# Altium PCB LimePSB-RPCM_1v4.PcbDoc (part 10 of 12) (continued)
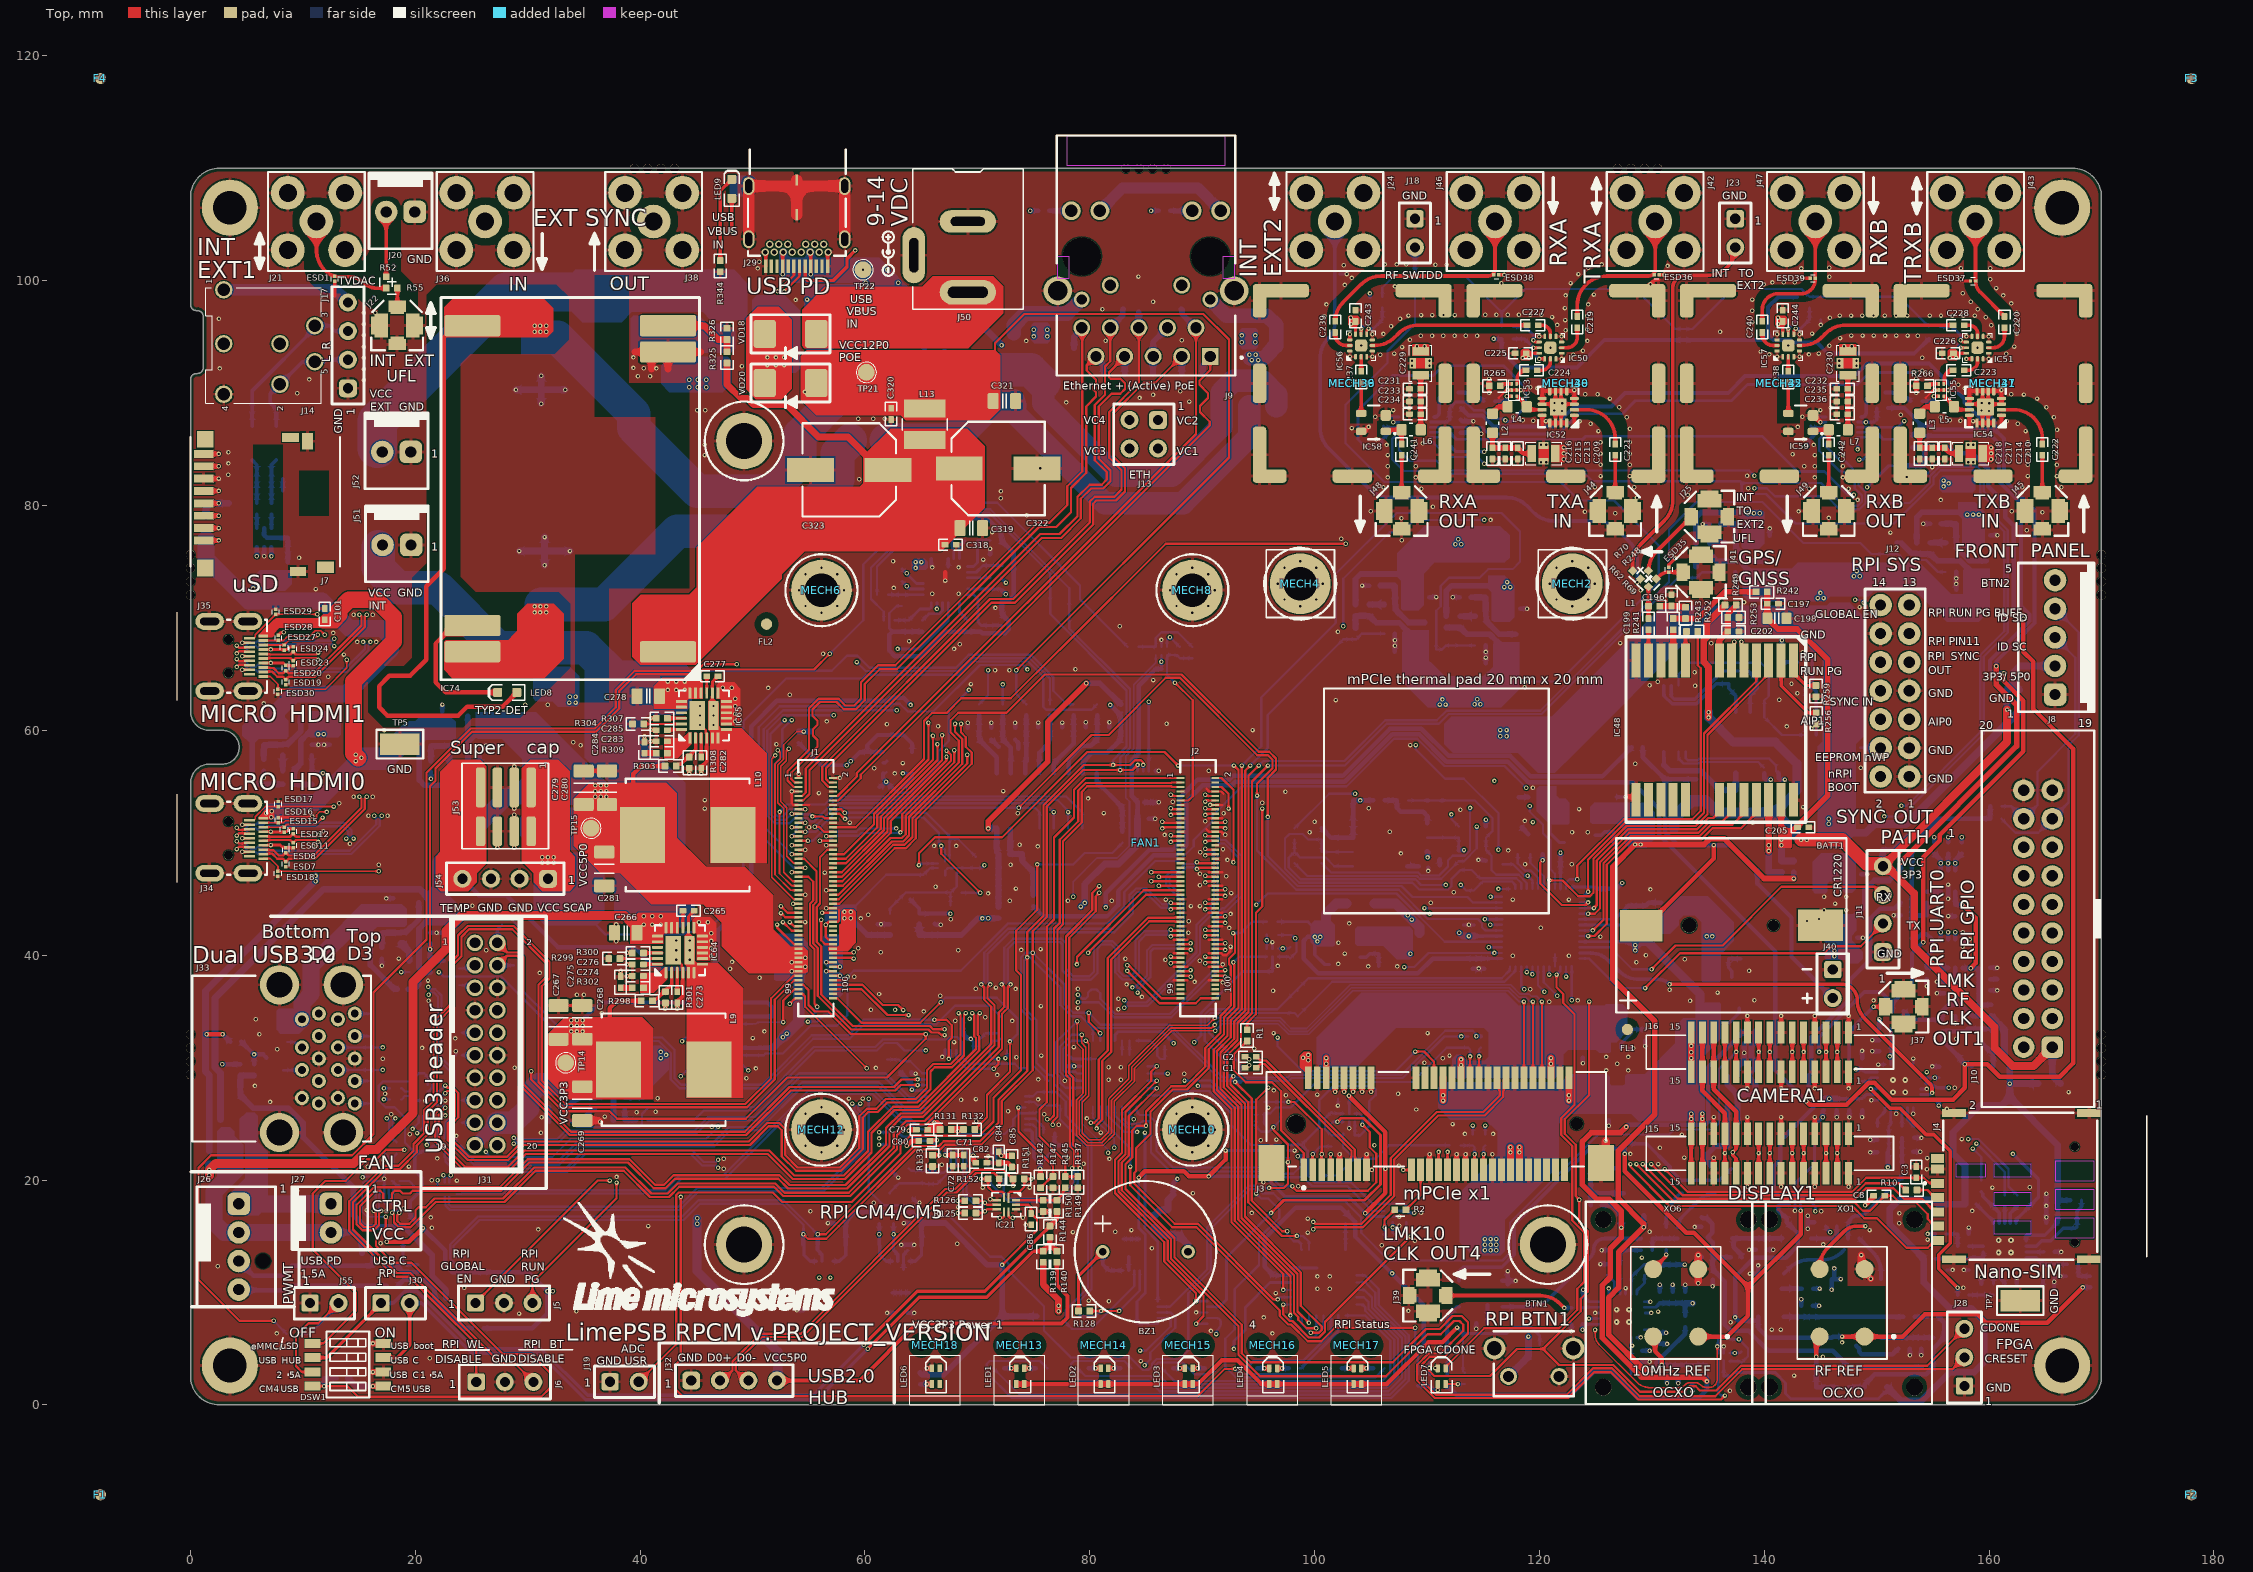
[diagram p0: Top view]
## Nets (pads, with @x,y where several pads share a name; then routed paths per layer and width w, separated by ;. In a path a pad name is that pad's centre, name@x,y a point inside that pad or via, vN(x,y) a via of type N, cw(c..) or ccw(c..) an arc to the next point about the centre after c; other vN are vias at no path point) (continued)
  Bottom w0.5: 148.062,43.488 148.95,44.375 148.95,45.8 149.8,46.65 151.115,46.65 R208.1@152.14,47.675 152.15,47.685 v1(152.15,48.275) ; 152.1,0.425 154.05,0.425
  Bottom w0.6: FR4.1@150.95,1.575 152.1,0.425 ; 154.05,0.425 156.525,2.9 158.675,2.9 159.575,3.8 159.575,7.425 158.4,8.6 156.475,8.6 154.2,10.875 FR7.1@154.2,13 151.175,16.025 151.175,17.425 151.975,18.225 155.1,18.225 155.485,17.84 R200.2@157.864,17.84 157.864,21.311 156.8,22.375 156.8,24.25 159.175,26.625 161.1,26.625 161.85,27.375 ; FR8.2@160.199,34.574 161.375,33.398 161.375,30.838 161.85,30.363 v1(161.85,28.581) ; FR17.2@164.35,28.581 C289.2@163.006,28.581 v1(161.85,28.581) ; C138.2@166.1,18.2 166.1,23.125 161.85,27.375 ; 161.85,27.375 v1(161.85,28.581)
  other v1: 146.25,39.913 146.25,40.4
VCC3P3_CLK2: C297.2 C298.2 FR9.1 FR10.1 FR11.1 FR12.1 FR19.2 IC71.1 R320.2 TP20.1 | length 82.4
  Top w0.5: v1(130.069,3.12) 129.279,3.12 126.175,6.224 126.175,9.55 127.05,10.425 127.05,13.575 v1(129.274,15.8) 129.274,16.101 127.025,18.35 127.025,22.6 130.275,25.85 130.275,34.125 126.525,37.875 126.525,47.862 v1(128.513,49.85) v1(129,49.85) 134.65,49.85 135.15,50.35 136.45,50.35 139.975,46.825 v1(142.625,46.825)
  Bottom w0.2: R320.2@126.6,51.975 C297.2@126.6,53.075 C298.2@128.025,53.075 128.025,52.192 128.45,51.767 TP20.1@128.45,51.425
  Bottom w0.4: FR10.1@129.19,2.8 129.75,2.8 130.389,3.439 130.389,3.758 131.555,4.924 131.557,4.924 132.96,6.327 132.96,6.91 FR11.1@132.975,6.925
  Bottom w0.5: v1(129.274,15.8) FR9.1@129.274,16.799 ; v1(142.625,46.825) FR12.1@142.625,47.375
VCC3P3_GNSS: C197.2 C198.2 C205.2 C206.1 FR12.2 IC48.23 R242.1 R260.2 | length 31.9
  Top w0.5: C198.2@140.275,69.975 R242.1@140.275,72.325 ; C198.2@140.525,69.725 141.225,69.025 142.925,69.025 145.65,66.3 145.65,54.2 142.525,51.075 141.975,51.075 141.5,51.55 IC48.23@141.5,53.825
  Bottom w0.6: v1(141.525,50.288) v1(141.525,49.775) C206.1@141.525,49.425 R260.2@141.525,48.375 FR12.2@142.625,48.375
VCC3P3_LMK10: C174.2 C175.2 C176.2 C177.2 FR10.2 IC39.8 IC39.23 R219.2 | length 23.4
  L3 w0.5: v1(128.239,5.274) 128.339,5.374 130.028,5.374 130.528,4.874 131.599,4.874 134.75,8.025 134.75,10.978 133.253,12.475 v1(132.925,12.475)
  Bottom w0.25: FR10.2@128.164,2.774 128.164,5.274 IC39.8@128.164,5.999 ; IC39.23@128.164,9.849 128.164,11.349 R219.2@128.339,11.524 129.29,12.475 C177.2@130.75,12.475
  Bottom w0.4: C177.2@130.75,12.475 C175.2@131.875,12.475 v1(132.925,12.475)
VCC3P3_LMK10_VDDO: C183.2 C184.2 C185.2 C186.2 C187.2 C188.2 FR11.2 IC39.2 IC39.6 IC39.14 IC39.18 | length 31.4
  L3 w0.6: v1(123.839,6.674) 124.714,5.8 127.35,5.8 129.05,7.5 ; v1(123.889,10.249) 124.613,9.525 128.125,9.525 129.05,8.6 129.05,7.5 ; v1(133.627,9.049) 133.627,8.787 v1(131.264,6.424) 130.126,6.424 129.05,7.5
  Bottom w0.25: C186.2@123.839,7.174 IC39.14@125.489,7.174 ; C185.2@123.889,9.674 124.389,9.174 IC39.18@125.489,9.174 ; IC39.6@129.339,6.674 130.443,6.674 130.518,6.599 C188.2@130.589,6.599 ; IC39.2@129.339,8.674 130.339,8.674 130.539,8.874 130.589,8.874 130.714,8.999 C187.2@130.714,9.049
  Bottom w0.4: v1(123.839,6.674) C186.2@123.839,7.174 ; C185.2@123.889,9.674 v1(123.889,10.249) ; C187.2@130.714,9.049 C184.2@131.839,9.049 C183.2@132.964,9.049 FR11.2@132.964,7.924 ; C188.2@130.789,6.424 v1(131.264,6.424)
  Bottom w0.6: C183.2@132.964,9.049 v1(133.627,9.049)
VCC3P3_LMKRF: C120.2 C121.2 C122.2 C123.2 FR5.2 IC31.8 IC31.23 R177.2 | length 19
  L3 w0.5: v1(151,21.125) 151,23.025 150.475,23.55 150.475,29.625 151.175,30.325 v1(151.175,31)
  Bottom w0.25: C121.2@151.075,22.45 C122.2@151.075,23.575 R177.2@151.075,24.75 151.25,24.925 IC31.23@151.25,26.425 ; IC31.8@151.25,30.275 151.25,31 C123.2@151.25,31.45 C120.2@151.25,32.45 FR5.2@151.25,33.5
  Bottom w0.4: v1(151,21.125) C121.2@151,22.45
VCC3P3_LMKRF_VDDO: C127.2 C128.2 C129.2 C130.2 C131.2 C132.2 FR6.2 IC31.2 IC31.6 IC31.14 IC31.18 | length 25.6
  L3 w0.5: v1(145.787,27.225) 145.787,27.487 v1(148.15,29.85) 149.124,30.824 149.874,30.824 150.65,31.6 151.425,31.6 154.25,28.775 154.849,28.775 ; v1(155.175,29.101) 154.849,28.775 ; v1(155.525,26.626) 155.525,28.099 154.849,28.775
  Bottom w0.25: C127.2@146.45,27.225 C128.2@147.575,27.225 C130.2@148.7,27.225 148.7,27.275 148.825,27.4 148.875,27.4 149.075,27.6 IC31.2@150.075,27.6 ; C132.2@148.825,29.675 148.896,29.675 148.971,29.6 IC31.6@150.075,29.6 ; IC31.18@153.925,27.1 C131.2@155.6,27.1 ; IC31.14@153.925,29.1 C129.2@155.575,29.1
  Bottom w0.4: v1(148.15,29.85) C132.2@148.625,29.85 ; v1(155.525,26.626) C131.2@155.525,27.1
  Bottom w0.6: FR6.2@145.275,27.225 145.862,27.225 C127.2@146.45,27.225
VCC3P3_RPI: C7.2 J1.84 J1.86 R7.1 | length 1.2
  Top w0.2: v1(56.555,39.375) J1.84@57.165,39.375 ; J1.86@57.165,38.975 v1(57.775,38.975)
VCC3P3_SD: C17.1 FR1.2 IC4.6 R21.1 R24.2 | length 45.7
  Bottom w0.5: 5.012,59.675 IC4.6@8.2,59.675 ; 5.485,59.373 5.485,55.673 5.945,55.213 R21.1@8.2,55.213
  Bottom w1.5: FR1.2@1.375,77.05 1.375,75.275 5.15,71.5 11.7,71.5 14.125,69.075 17.05,69.075 17.8,68.325 17.8,67.175 13.85,63.225 9.225,63.225 7.675,61.675 7.675,60.45
VCC3P3A: C29.2 C34.2 C35.2 FR3.2 IC6.16 R47.2 R48.1 | length 28.2
  Top w0.5: v1(70.963,51.277) 70.963,51.913 76.25,57.2 76.25,60.75 v1(79.686,64.186)
  Bottom w0.5: v1(70.963,51.277) IC6.16@71.713,51.277 71.713,49.173 R47.2@71.876,49.01 C29.2@71.876,45.46 FR3.2@71.876,44.285 ; v1(79.686,64.186) 80.9,64.186 R48.1@82.751,62.335
VCC5P0: C4.2 C5.2 C15.1 C52.1 C89.1 C92.2 C94.1 C97.2 C98.1 C102.2 C279.2 C280.2 C281.2 FR13.1 FR14.1 FR16.1 FR18.1 IC3.1 IC3.5 IC17.1 IC17.5 IC24.1 IC25.1 IC28.1 J1.77 J1.79 J1.81 J1.83 J1.85 J1.87 J10.2 J10.4 J32.4 L10.2 R18.1 R86.1 R100.2 R101.2 R140.2 R155.2 R156.2 R163.2 R164.2 R170.2 R171.2 R173.1 R303.2 TP15.1 VD9.A | length 258.7
  Top w0.2: 38.05,49.175 38.05,52.95 ; v1(53.475,38.575) J1.87@54.085,38.575 ; v1(53.475,39.375) J1.83@54.085,39.375 ; J1.85@54.085,38.975 v1(54.695,38.975) ; J1.81@54.085,39.775 v1(54.695,39.775)
  Top w0.35: J32.4@52.173,1.938 52.398,2.163 59.538,2.163 64.6,7.225 77.5,7.225 78.025,7.75 78.025,9.7 77.075,10.65 R140.2@77.075,12.675
  Top w0.4: 39.4,54.95 39.4,56.15 40.073,56.823 42.209,56.823 R303.2@42.223,56.823 ; 54.085,38.675 J1.83@54.085,39.375 J1.81@54.085,39.775 54.085,40.45
  Top w0.7: C279.2@35.175,53.4 35.188,53.388 37.287,53.388 37.3,53.375 37.625,53.375 38.05,52.95 38.15,52.85 38.55,52.85 40.2,51.2 L10.2@40.2,50.7
  L3 w0.8: v1(45.075,16.1) v1(45.075,16.6) 45.075,26.625 49.775,31.325 51.35,31.325 v1(53.05,33.025) ; v1(145.75,52.15) v1(145.75,51.7) 145.75,47.8 148,45.55 148,41.35 148.075,41.275 148.075,41.26 148.485,40.85 148.5,40.85 149.2,40.15 149.2,39.45 151.625,37.025 152.625,37.025 154.275,35.375 158.2,35.375 159.125,34.45 162.99,34.45 J10.4@163.08,34.36 J10.2@163.08,31.82
  L4 w1.7: 42,31.1 45.55,31.1 53.825,39.375 54.2,39.375
  Bottom w0.3: C52.1@144.285,67.55 IC17.5@144.285,66.08 IC17.1@144.285,64.15 144.285,63.83 144.625,63.49 R101.2@144.625,62.8 R100.2@144.625,59.6
  Bottom w0.35: IC3.5@48.06,31.76 C15.1@51.8,31.76
  Bottom w0.5: R163.2@19.363,36.975 19.888,36.975 20.313,37.4 20.313,38.075 20.738,38.5 ; R164.2@21.313,38.5 20.738,38.5 ; IC25.1@21.313,42.95 C97.2@21.313,44.648 ; 22.898,42.948 20.913,42.948 20.913,42.939 20.323,42.349 20.323,38.915 20.738,38.5 ; R171.2@25.675,55.338 25.45,55.113 R170.2@24.075,55.113 R173.1@24.075,56.338 24.685,56.948 24.685,58.974 25.275,59.564 25.275,59.573 C98.1@27.26,59.573 ; IC28.1@25.675,59.575 C102.2@25.675,61.273 ; R156.2@37.625,25.329 37.625,27.676 38.225,28.276 38.225,28.285 C89.1@40.21,28.285 ; IC24.1@38.625,28.287 C92.2@38.625,29.985
  Bottom w0.6: R86.1@2.675,25.375 2.675,29.525 2.175,30.025 2.175,36.2 11.85,45.875 20.375,45.875 C97.2@21.375,44.875 ; C15.1@51.8,31.76 v1@52.8,32.76
  Bottom w0.7: 147.6,50.9 149.025,50.9 149.8,51.675 152.625,51.675 162.7,61.75 R18.1@162.7,62.6
  Bottom w0.8: v1(45.075,16.6) v1(45.075,16.1) 45.075,11.9 52.243,4.732 J32.4@52.243,2.232
  Bottom w1: v1@52.8,32.76 54.1,34.06 54.1,38.525
  Bottom w1.5: 22.25,44.4 22.25,48.225 28.175,54.15 30.025,54.15 31.575,55.7
  other v1: 41.825,30.85 42.3,31.125 41.825,31.4 52.7,32.7 36,54.1 36.5,54.1 37,54.1 36,54.6 36.5,54.6 37,54.6 36,55.1 36.5,55.1 37,55.1 116.525,59.475 117.075,59.475 116.525,60.025 117.075,60.025
VCC5P0_HDMI: C99.1 C100.1 C101.1 IC28.6 J34.19 J35.19 R170.1 R172.2 | length 52.2
  Top w0.9: 6.95,68.775 7.725,69.55 12.175,69.55
  Top w1.5: 12.775,69.875 13.2,70.3 13.2,70.725 14.1,71.625 16.55,71.625 18.075,70.1 18.075,67.925 14.5,64.35 14.5,57.95 14.9,57.55
  Bottom w0.5: 19.887,59.575 IC28.6@23.075,59.575 ; 20.36,59.273 20.36,55.573 20.82,55.113 R170.1@23.075,55.113
  Bottom w1.5: v1(7.225,52.8) 9.2,52.8 10,53.6 11.175,53.6 v1@15.05,57.475
  Bottom w2: v1@15.05,57.475 17.25,57.475 19.625,59.85 20.025,59.85
  other v1: 7.175,52.275 6.725,52.625 14.7,57.275 15.2,57.575 14.7,57.85
VCC5P0_RFA: C225.1 C243.2 C249.1 C250.1 C257.2 C258.2 C261.2 C263.1 FR13.2 IC50.9 IC56.9 IC60.1 IC61.1 R271.2 R272.2 R275.1 R276.1 R289.1 R290.1 | length 109.3
  Top w0.25: IC56.9@103.64,95.243 C243.2@103.64,96.385 ; C225.1@118.833,93.55 IC50.9@119.975,93.55
  L4 w1.5: 103,96.425 102.475,96.425 100.8,94.75 100.8,80.9 105.7,76 105.7,67.137 110.087,62.75 v1(111.375,62.75) ; v1(114.475,62.775) 118,66.3 123.875,66.3 126.925,69.35 126.925,76.45 129.975,79.5 129.975,87.875 126.075,91.775 119.45,91.775 118.65,92.575 118.65,92.975
  Bottom w0.5: R276.1@103.65,69.1 cw(c103.679,69.129) 103.638,69.129 R272.2@103.638,70.2 R290.1@104.863,70.2 105.473,69.59 107.499,69.59 108.089,69 108.098,69 C250.1@108.098,67.015 ; IC61.1@108.1,68.6 C258.2@109.798,68.6 ; R271.2@111.715,69.16 R289.1@112.94,69.16 113.55,68.55 115.576,68.55 116.166,67.96 116.175,67.96 C249.1@116.175,65.975 ; IC60.1@116.177,67.56 C257.2@117.875,67.56
  other v1: 111.125,62.3 111.65,62.3 114.225,62.325 114.75,62.325 118.518,93.135 119.068,93.135 103.225,96.15 103.225,96.7
VCC5P0_RFB: C226.1 C244.2 C251.1 C252.1 C259.2 C260.2 C262.2 C264.1 FR14.2 IC51.9 IC57.9 IC62.1 IC63.1 R273.2 R274.2 R277.1 R278.1 R291.1 R292.1 | length 98.4
  Top w0.25: IC57.9@141.64,95.243 C244.2@141.64,96.385 ; C226.1@156.833,93.55 IC51.9@157.975,93.55
  L4 w1.5: 140.875,96.55 136.425,92.1 136.425,76.348 140.798,71.975 145.025,71.975 ; 148.25,73.9 148.375,74.025 150.2,75.85 163.3,75.85 167.975,80.525 167.975,87.875 164.1,91.75 157.7,91.75 156.7,92.75
  Bottom w0.5: R278.1@133.925,74.575 R274.2@133.925,75.673 R292.1@135.15,75.673 135.76,75.062 137.786,75.062 138.376,74.472 138.385,74.472 C252.1@138.385,72.488 ; IC63.1@138.387,74.072 C260.2@140.085,74.072 ; R277.1@151.85,76.7 151.9,76.65 152.225,76.65 153.125,75.75 153.513,75.75 R273.2@153.563,75.7 R291.1@154.788,75.7 155.398,75.09 157.424,75.09 158.014,74.5 158.023,74.5 C251.1@158.023,72.515 ; IC62.1@158.025,74.1 C259.2@159.723,74.1
  other v1: 144.75,71.775 145.275,71.775 145,72.225 147.975,73.725 148.5,73.725 148.225,74.175 156.518,93.135 157.068,93.135 141.225,96.15 141.225,96.7
VCC5P0_RXA_LNA: C229.1 C254.1 IC61.6 R272.1 R279.1 R281.2 | length 26.6
  L4 w2: 111.775,93.175 112.775,92.175 112.775,76.75
  Bottom w0.5: R272.1@103.638,71.2 103.638,73.455 104.098,73.915 107.798,73.915 ; IC61.6@108.1,71.2 108.1,74.388
  other v1: 112.525,76.55 113.05,76.55 112.775,77 109.1,94.175 109.78,94.175
VCC5P0_RXB_LNA: C230.1 C256.1 IC63.6 R274.1 R280.1 R283.2 | length 42.5
  L4 w2: v1(139.085,79.325) 139.085,77.526 140.586,76.025 145.825,76.025 150.775,80.975 ; 149.775,93.175 150.775,92.175 150.775,80.975 ; 155.825,81.975 154.825,81.975 153.825,80.975 150.775,80.975
  Bottom w0.5: R274.1@133.925,76.672 133.925,78.928 134.385,79.387 138.085,79.387 ; IC63.6@138.387,76.672 R283.2@138.387,78.36
  other v1: 138.56,79.325 139.61,79.325 155.95,81.7 156.4,81.975 155.95,82.225 147.1,94.175 147.78,94.175
VCC5P0_TXA_PA: C209.1 C253.1 IC60.6 R271.1 R279.2 R284.2 | length 24.1
  L4 w2: 117.15,72.925 117.15,76.475 122.175,81.5 v1(122.175,84.112) v1(122.175,84.637) v1(122.175,85.162)
  Bottom w0.5: R271.1@111.715,70.16 111.715,72.415 112.175,72.875 115.875,72.875 ; IC60.6@116.177,70.16 R279.2@116.177,73.348
  other v1: 116.875,72.75 117.4,72.75 117.125,73.2
VCC5P0_TXB_PA: C210.1 C255.1 IC62.6 R273.1 R280.2 R282.2 | length 16.2
  L4 w2: 158.575,79.425 158.575,80.3 160.175,81.9 v1(160.175,84.112) v1(160.175,84.637) v1(160.175,85.162)
  Bottom w0.5: R273.1@153.563,76.7 153.563,78.955 154.023,79.415 157.723,79.415 ; IC62.6@158.025,76.7 R282.2@158.025,78.388 R280.2@158.025,79.888
  other v1: 158.05,79.2 158.575,79.2 159.1,79.2
VCC5P0_USB3H: C88.2 C90.1 C91.2 IC24.6 J31.18 J31.19 R155.1 R158.2 | length 10.6
  Bottom w1: J31.19@25.3,23.1 J31.18@27.3,25.1
  Bottom w2: J31.18@27.3,25.1 28.75,25.1 30.025,26.375 C88.2@30.025,27.575 30.975,28.525 32.975,28.525
VCC5P0_USBS: C93.2 C95.1 C96.2 IC25.6 J33.1 J33.10 R163.1 R166.2 | length 27.3
  L3 w0.7: J33.1@9.91,34.3 9.91,35.11 10.825,36.025 11.824,36.025 13.005,34.844 13.005,34.405 J33.10@13.11,34.3
  Bottom w0.5: C96.2@15.525,42.95 IC25.6@18.713,42.95 ; 15.998,42.648 15.998,39.115 18.138,36.975 R163.1@18.363,36.975
  Bottom w1.5: J33.1@9.91,34.3 9.91,35.693 10.51,36.293 10.51,36.325 10.725,36.54 10.725,39.025 15.208,43.508 15.558,43.508 C96.2@15.708,43.658
VCC12P0_POE: C320.1 C321.2 L13.2 R58.1 TP21.1 VD20.A | length 64.6
  Top w0.2: 71.575,93.325 71.575,94.45 74.175,97.05 90.1,97.05 92.375,94.775 92.375,84.275 v1(73.45,65.35)
  Bottom w0.2: v1(73.45,65.35) 73.45,63.236 R58.1@74.351,62.335
  other v1: 54.663,90.113
VCC12P0_POE_DIV: C39.1 IC6.3 R58.2 R65.2 | length 5.2
  Bottom w0.4: IC6.3@74.253,56.177 74.253,57.158 74.351,57.256 C39.1@74.351,59.185 R65.2@74.351,60.235 R58.2@74.351,61.335
VCC_BARREL: J50.1 R56.1 VD18.A | length 37.7
  L4 w0.2: J50.1@69.15,98.975 69.15,77.141 70.95,75.341 v1(70.95,65.35)
  Bottom w0.2: R56.1@70.151,62.335 70.95,63.134 v1(70.95,65.35)
VCC_BARREL_DIV: C37.1 IC6.1 R56.2 R63.2 | length 5.8
  Bottom w0.4: R56.2@70.151,61.335 R63.2@70.151,60.235 C37.1@70.151,59.185 70.201,59.185 70.251,59.135 70.251,59.085 71.713,57.623 IC6.1@71.713,56.177
VCC_EXT: C272.1 F9.1 J52.2 R59.1 R297.2 VD21.K | length 105.7
  L3 w0.2: J52.2@17.054,84.775 21.625,80.204 21.625,74 26.075,69.55 47,69.55 50.475,66.075 v1(59.275,66.075)
  Bottom w0.2: v1(59.275,66.075) 60.075,65.275 68.214,65.275 69.364,66.425 74.649,66.425 76.451,64.623 R59.1@76.451,62.335
  Bottom w3.5: J52.2@16.6,85.075 16.6,87.5 28.1,99 40.5,99
VCC_EXT_DIV: C40.1 IC6.4 R59.2 R66.2 | length 5.6
  Bottom w0.4: IC6.4@75.523,56.177 75.523,58.023 76.351,58.851 76.351,59.135 76.401,59.185 C40.1@76.451,59.185 R66.2@76.451,60.235 R59.2@76.451,61.335
VCC_FAN: C47.1 C49.1 J26.2 J27.2 R78.1 R84.2 R86.2 R89.2 | length 27.3
  Bottom w0.5: 2.675,23.825 R84.2@2.675,22.578 R89.2@2.675,21.325 3.125,21.325 C47.1@4.375,21.325 ; J27.2@12.491,15.338 14.437,15.338 15.2,14.575 15.2,14.525 C49.1@15.25,14.525 R78.1@15.25,13.475
  Bottom w1.5: 3.125,23.925 3.125,22.578 3.125,21.325 3.125,20.025 2.1,19 2.1,16.225 2.987,15.338 J26.2@4.287,15.338 J27.2@12.491,15.338
VCC_INT: C266.2 C270.2 C271.1 C278.2 F10.1 FR15.2 IC64.16 IC64.17 IC64.18 IC64.19 IC64.20 IC65.16 IC65.17 IC65.18 IC65.19 IC65.20 J51.2 L8.2 R60.1 R89.1 | length 128
  Top w0.2: C266.2@40.2,42.35 40.387,42.163 40.85,41.7 IC64.19@41.55,41.7 ; 42.325,63.225 42.513,63.038 42.975,62.575 IC65.19@43.675,62.575
  Top w0.25: C266.2@39.236,41.656 39.236,41.99 39.236,42.086 C266.2@39.6,42.45 ; C278.2@41.361,62.531 41.361,62.961 C278.2@41.725,63.325
  Top w0.8: v1(1.675,20.425) v1(1.675,20.9) 2.25,21.475 14.5,21.475 15.744,22.719 16.569,22.719 19.8,25.95 19.8,37.625 22.725,40.55 22.725,42.15 24.125,43.55 38.6,43.55 39.612,42.538 39.612,42.09 C266.2@39.712,41.99
  Bottom w0.2: 44.35,65.1 44.55,65.3 57.05,65.3 58.4,66.65 59.325,66.65 60.4,65.575 68.09,65.575 69.24,66.725 74.774,66.725 76.751,64.748 76.751,63.534 77.95,62.335 R60.1@78.551,62.335
  Bottom w0.8: v1(1.675,20.425) v1(1.675,20.9) R89.1@1.675,21.325
  Bottom w3: J51.2@16.7,76.325 16.7,74.425 18.425,72.7 22,72.7 27.35,67.35 35.175,67.35 37.875,64.65
  other v1: 40.329,42.724 41.079,42.724 41.829,42.724 40.329,43.474 41.079,43.474 41.829,43.474 42.454,63.599 43.205,63.599 43.955,63.599 42.455,64.349 43.205,64.349 43.955,64.349 44.375,90.525 45.125,90.525 45.875,90.525 44.375,91.2 45.125,91.2 45.875,91.2
VCC_INT_DIV: C41.1 IC6.5 R60.2 R67.2 | length 5.9
  Bottom w0.4: IC6.5@76.793,56.177 76.793,57.068 78.551,58.826 R60.2@78.551,61.335
VCC_SCAP: J53.1 J54.1 R61.1 R305.2 R306.2 VD22.A | length 69
  Bottom w0.2: 35.739,44.03 35.739,43.036 36.925,41.85 43.888,41.85 44.113,42.075 45.825,42.075 49.175,45.425 49.175,60.8 53,64.625 59.794,64.625 60.115,64.946 68.309,64.946 69.488,66.125 74.525,66.125 75.85,64.8 75.85,62.088 76.103,61.835 80.151,61.835 R61.1@80.651,62.335
  other v1: 31.3,48.225 31.8,48.225 32.3,48.225 31.3,48.725 31.8,48.725 32.3,48.725
VCC_SCAP_DIV: C42.1 IC6.6 R61.2 R68.2 | length 6.7
  Bottom w0.4: IC6.6@78.063,56.177 78.12,56.235 78.12,57.445 79.3,58.625 80.091,58.625 80.551,59.085 80.551,59.135 80.601,59.185 C42.1@80.651,59.185 R61.2@80.651,61.335
VCC_USB_PD: C329.2 IC75.5 IC75.6 IC76.11 R57.1 VD19.A | length 46.4
  L3 w0.25: v1(54.85,98.325) 60.15,93.025 60.15,85.35 61.825,83.675 61.825,72.6 63.621,70.804 v1(66.4,70.804)
  L4 w0.25: v1(66.4,70.804) 66.4,68.15 70.025,64.525 71.819,64.525 v1(72.251,64.093)
  Bottom w0.25: v1(66.4,70.804) IC76.11@66.4,71.359 ; R57.1@72.251,62.335 v1(72.251,64.093)
VCC_USB_PD_DIV: C38.1 IC6.2 R57.2 R64.2 | length 5.5
  Bottom w0.4: R57.2@72.251,61.335 R64.2@72.251,60.235 C38.1@72.251,59.185 72.301,59.185 72.351,59.135 72.351,59.085 72.983,58.453 IC6.2@72.983,56.177
XO10_VC: IC35.1 XO6.1 XO7.1 XO8.1 XO9.1 XO10.1 | length 67.7
  Top w0.4: v1@127.6,22.275 127.6,20.775 133.075,15.3 133.75,15.3 138.55,10.5 ; XO6.1@134.125,6.075 136.7,6.075 138.55,7.925 138.55,10.5 ; v1(143.236,17.261) 143.236,15.186 138.55,10.5
  Bottom w0.25: v1(143.236,17.261) IC35.1@143.236,17.822
  Bottom w0.325: XO9.1@112.85,11.025 112.85,11.887 113.213,12.25 116.638,12.25 117.738,13.35 117.738,16.05 124.488,22.8 127.054,22.8 XO7.1@127.49,23.236 129.543,23.236 131.613,21.167 131.613,20.963 132.6,19.975 136.025,19.975 XO10.1@137.05,21
  Bottom w0.4: v1(127.6,22.325) XO7.1@127.6,23.021
XO_VC_SEL: IC12.1 IC35.6 | length 62.4
  Top w0.2: v1(97.2,8.925) 97.2,8.034 97.784,7.45 98.024,7.45 99.474,6 100.4,6 100.925,6.525 100.925,7.375 v1(108.525,14.975)
  L3 w0.1: v1(108.525,14.975) 110.125,14.975 111.525,16.375 116.258,16.375 117.85,14.783 117.85,12.958 119.508,11.3 122.3,11.3 125.325,14.325 127.975,14.325 128.6,14.95 142.525,14.95 144.55,16.975 v1(144.55,17.225)
  Bottom w0.2: v1(97.2,8.925) IC12.1@97.875,8.925 ; IC35.6@143.236,18.548 143.652,18.548 144.55,17.65 v1(144.55,17.225)
XORF_VC: IC35.3 R192.1 R199.2 XO1.1 XO2.1 XO3.1 XO4.1 XO5.1 | length 51.2
  Top w0.4: v1(146.925,6.075) XO1.1@148.925,6.075 152.325,6.075 154.3,8.05 158.975,8.05 159.725,7.3 165.175,7.3 v1(168.325,10.45)
  Bottom w0.25: R192.1@141.225,17.65 141.397,17.822 IC35.3@142.236,17.822
  Bottom w0.4: XO4.1@139.45,7.475 137.7,7.475 v1(137.4,7.775) 137.4,11.375 139.125,13.1 141.925,13.1 143,14.175 143,15.25 XO5.1@142,16.25 142,16.55 141.225,17.325 R192.1@141.225,17.65 ; XO4.1@139.45,7.825 139.45,6.85 140.31,5.99 XO2.1@145.989,5.99 146.074,6.075 v1(146.925,6.075) ; v1(168.325,10.45) R199.2@168.999,10.45
pads on no net: BATT1.MECH C1.0 C2.0 C3.0 C4.0 C5.0 C6.0 C7.0 C8.0 C9.0 C10.0 C11.0 C12.0 C13.0 C14.0 C15.0 C16.0 C17.0 C18.0 C19.0 C20.0 C21.0 C22.0 C23.0 C24.0 C25.0 C26.0 C27.0 C28.0 C29.0 C30.0 C31.0 C32.0 C33.0 C34.0 C35.0 C36.0 C37.0 C38.0 C39.0 C40.0 C41.0 C42.0 C43.0 C44.0 C45.0 C46.0 C47.0 C48.0 C49.0 C50.0 C51.0 C52.0 C53.0 C54.0 C55.0 C56.0 C57.0 C58.0 C59.0 C60.0 C61.0 C62.0 C63.0 C64.0 C65.0 C66.0 C67.0 C68.0 C69.0 C70.0 C71.0 C72.0 C73.0 C74.0 C75.0 C76.0 C77.0 C78.0 C79.0 C80.0 C81.0 C82.0 C83.0 C84.0 C85.0 C86.0 C87.0 C88.0 C89.0 C90.0 C91.0 C92.0 C93.0 C94.0 C95.0 C96.0 C97.0 C98.0 C99.0 C100.0 C101.0 C102.0 C103.0 C104.0 C105.0 C106.0 C107.0 C108.0 C109.0 C110.0 C111.0 C112.0 C113.0 C114.0 C115.0 C116.0 C117.0 C118.0 C119.0 C120.0 C121.0 C122.0 C123.0 C124.0 C125.0 C126.0 C127.0 C128.0 C129.0 C130.0 C131.0 C132.0 C133.0 C134.0 C135.0 C136.0 C137.0 C138.0 C139.0 C140.0 C141.0 C142.0 C143.0 C144.0 C145.0 C146.0 C147.0 C148.0 C149.0 C150.0 C151.0 C152.0 C153.0 C154.0 C155.0 C156.0 C157.0 C158.0 C159.0 C160.0 C161.0 C162.0 C163.0 C164.0 C165.0 C166.0 C167.0 C168.0 C169.0 C170.0 C171.0 C172.0 C173.0 C174.0 C175.0 C176.0 C177.0 C178.0 C179.0 C180.0 C181.0 C182.0 C183.0 C184.0 C185.0 C186.0 C187.0 C188.0 C189.0 C190.0 C191.0 C192.0 C193.0 C194.0 C195.0 C196.0 C197.0 C198.0 C199.0 C200.0 C201.0 C202.0 C203.0 C204.0 C205.0 C206.0 C207.0 C208.0 C211.0 C212.0 C213.0 C214.0 C215.0 C216.0 C217.0 C218.0 C219.0 C220.0 C221.0 C222.0 C223.0 C224.0 C225.0 C226.0 C227.0 C228.0 C231.0 C232.0 C233.0 C234.0 C235.0 C236.0 C237.0 C238.0 C239.0 C240.0 C241.0 C242.0 C243.0 C244.0 C245.0 C246.0 C247.0 C248.0 C249.0 C250.0 C251.0 C252.0 C253.0 C254.0 C255.0 C256.0 C257.0 C258.0 C259.0 C260.0 C261.0 C262.0 C263.0 C264.0 C265.0 C266.0 C267.0 C268.0 C269.0 C270.0 C271.0 C272.0 C273.0 C274.0 C275.0 C276.0 C277.0 C278.0 C279.0 C280.0 C281.0 C282.0 C283.0 C284.0 C285.0 C286.0 C287.0 C288.0 C289.0 C290.0 C291.0 C292.0 C293.0 C294.0 C295.0 C296.0 C297.0 C298.0 C299.0 C300.0 C301.0 C302.0 C303.0 C304.0 C305.0 C306.0 C307.0 C308.0 C309.0 C310.0 C311.0 C312.0 C313.0 C314.0 C315.0 C316.0 C317.0 C318.0 C319.0 C320.0 C321.0 C324.0 C325.0 C326.0 C327.0 C328.0 C329.0 C330.0 C331.0 C332.0 C333.0 C334.0 C335.0 D1.0 D2.0 D3.0 F1.1 F2.1 F3.1 F4.1 F5.1 F6.1 F7.1 F8.1 F9.0 F10.0 FL1.1 FL2.1 FL3.1 FL4.1 FR1.0 FR2.0 FR3.0 FR4.0 FR5.0 FR6.0 FR7.0 FR8.0 FR9.0 FR10.0 FR11.0 FR12.0 FR13.0 FR14.0 FR15.0 FR16.0 FR17.0 FR18.0 FR19.0 FR20.0 FR21.0 FR22.0 FR23.0 IC4.0 IC5.0 IC7.9 IC10.1 IC10.2 IC10.3 IC10.7 IC11.1 IC11.2 IC11.3 IC11.7 IC11.PAD IC12.7 IC12.10 IC12.15 IC12.16 IC13.8 IC14.7 IC15.7 IC15.10 IC15.15 IC15.16 IC16.7 IC20.14 IC20.15 IC20.16 IC20.17 IC20.18 IC20.23 IC20.26 IC20.28 IC20.29 IC20.31 IC20.32 IC20.33 IC20.34 IC20.36 IC20.37 IC20.38 IC20.39 IC20.47 IC20.48 IC20.49 IC20.50 IC20.51 IC20.55 IC20.56 IC24.0 IC25.0 IC28.0 IC29.10 IC29.11 IC29.15 IC29.16 IC30.10 IC30.11 IC30.15 IC30.16 IC31.4 IC31.9 IC31.10 IC34.0 IC34.4 IC39.4 IC39.5 IC39.9 IC39.10 IC44.0 IC44.4 IC46.0 IC47.6 IC48.14 IC48.15 IC48.16 IC48.17 IC49.0 IC60.0 IC61.0 IC62.0 IC63.0 IC64.21 IC65.21 IC66.2 IC66.6 IC66.7 IC67.2 IC67.6 IC67.7 IC68.2 IC68.6 IC68.7 IC69.0 IC70.2 IC70.6 IC70.7 IC71.2 IC71.6 IC71.7 IC76.4 IC76.8 IC76.16 IC76.17 IC76.20 IC76.21 J1.19 J1.64 J1.68 J1.70 J1.72 J1.73 J2.4 J2.33 J2.35 J2.39 J2.41 J2.93 J2.94 J2.95 J2.96 J3. J3.20 J3.45 J3.47 J3.49 J3.51 J4. J4.CD J7.9 J7.10 J7.11 J7.14 J9. J14.6 J14.7 J26.0 J29.A2 J29.A3 J29.A8 J29.A10 J29.A11 J29.B2 J29.B3 J29.B8 J29.B10 J29.B11 J31.1 J31.8 J31.10 J31.14 J31.16 J31.20 J33.5 J33.6 J33.8 J33.9 J34.2 J34.MH1 J34.MH2 J35.2 J35.MH1 J35.MH2 L1.0 L2.0 L3.0 L4.0 L5.0 L6.0 L7.0 L11.0 L12.0 LED1.0 LED2.0 LED3.0 LED4.0 LED5.0 LED6.0 LED6.2 LED6.4 LED7.0 LED8.0 LED9.0 MECH2.MH1 MECH4.MH1 MECH13.0 MECH14.0 MECH15.0 MECH16.0 MECH17.0 MECH18.0 R1.0 R2.0 R3.0 R4.0 R5.0 R6.0 R7.0 R8.0 R9.0 R10.0 R11.0 R12.0 R13.0 R14.0 R15.0 R16.0 R17.0 R18.0 R19.0 R20.0 R21.0 R22.0 R23.0 R24.0 R25.0 R26.0 R27.0 R28.0 R29.0 R30.0 R31.0 R32.0 R33.0 R34.0 R35.0 R36.0 R37.0 R38.0 R39.0 R40.0 R41.0 R42.0 R43.0 R44.0 R45.0 R46.0 R47.0 R48.0 R49.0 R50.0 R51.0 R52.0 R53.0 R54.0 R55.0 R56.0 R57.0 R58.0 R59.0 R60.0 R61.0 R62.0 R63.0 R64.0 R65.0 R66.0 R67.0 R68.0 R69.0 R70.0 R71.0 R72.0 R73.0 R74.0 R75.0 R76.0 R77.0 R78.0 R79.0 R80.0 R81.0 R82.0 R83.0 R84.0 R85.0 R86.0 R87.0 R88.0 R89.0 R90.0 R91.0 R92.0 R93.0 R94.0 R95.0 R96.0 R97.0 R98.0 R99.0 R100.0 R101.0 R102.0 R103.0 R104.0 R105.0 R106.0 R107.0 R108.0 R109.0 R110.0 R111.0 R112.0 R113.0 R114.0 R115.0 R116.0 R117.0 R118.0 R119.0 R120.0 R121.0 R122.0 R123.0 R124.0 R125.0 R126.0 R127.0 R128.0 R129.0 R130.0 R131.0 R132.0 R133.0 R134.0 R135.0 R136.0 R137.0 R138.0 R139.0 R140.0 R141.0 R142.0 R143.0 R144.0 R145.0 R146.0 R147.0 R148.0 R149.0 R150.0 R151.0 R152.0 R153.0 R154.0 R155.0 R156.0 R157.0 R158.0 R159.0 R160.0 R161.0 R162.0 R163.0 R164.0 R165.0 R166.0 R167.0 R168.0 R169.0 R170.0 R171.0 R172.0 R173.0 R174.0 R175.0 R176.0 R177.0 R178.0 R179.0 R180.0 R181.0 R182.0 R183.0 R184.0 R185.0 R186.0 R187.0 R188.0 R189.0 R190.0 R191.0 R192.0 R193.0 R194.0 R195.0 R196.0 R197.0 R198.0 R199.0 R200.0 R201.0 R202.0 R203.0 R204.0 R205.0 R206.0 R207.0 R208.0 R209.0 R210.0 R211.0 R212.0 R213.0 R214.0 R215.0 R216.0 R217.0 R218.0 R219.0 R220.0 R221.0 R222.0 R223.0 R224.0 R225.0 R226.0 R227.0 R228.0 R229.0 R230.0 R231.0 R232.0 R233.0 R234.0 R235.0 R236.0 R237.0 R238.0 R239.0 R240.0 R241.0 R242.0 R243.0 R244.0 R245.0 R246.0 R247.0 R248.0 R249.0 R250.0 R251.0 R252.0 R253.0 R254.0 R255.0 R256.0 R257.0 R258.0 R259.0 R260.0 R261.0 R262.0 R263.0 R264.0 R265.0 R266.0 R267.0 R268.0 R269.0 R270.0 R271.0 R272.0 R273.0 R274.0 R275.0 R276.0 R277.0 R278.0 R279.0 R280.0 R281.0 R282.0 R283.0 R284.0 R285.0 R286.0 R287.0 R288.0 R289.0 R290.0 R291.0 R292.0 R293.0 R294.0 R295.0 R296.0 R297.0 R298.0 R299.0 R300.0 R301.0 R302.0 R303.0 R304.0 R305.0 R306.0 R307.0 R308.0 R309.0 R310.0 R311.0 R312.0 R313.0 R314.0 R315.0 R316.0 R317.0 R318.0 R319.0 R320.0 R321.0 R322.0 R323.0 R324.0 R325.0 R326.0 R327.0 R328.0 R329.0 R330.0 R331.0 R332.0 R333.0 R334.0 R335.0 R336.0 R337.0 R338.0 R339.0 R340.0 R341.0 R342.0 R343.0 R344.0 R345.0 R346.0 R347.0 R348.0 R349.0 R350.0 VD1.0 VD2.0 VD3.0 VD4.0 VD5.0 VD6.0 VD7.0 VD8.0 VD9.0 VD10.0 VD11.0 VD12.0 VD13.0 VD14.0 VD15.0 VD16.0 VD17.0 VD18.0 VD19.0 VD20.0 VD22.0 VT1.0 VT2.0 XO1.0 XO2.3 XO4.2 XO4.3 XO4.5 XO4.8 XO4.10 XO6.0 XO7.3 XO9.2 XO9.3 XO9.5 XO9.8 XO9.10 XT2.0
copper on no net:
  other v1: 55.925,11.325 56.925,11.325 98.725,71.05 122.925,71.05 97.311,71.636 100.139,71.636 121.511,71.636 124.339,71.636 96.725,73.05 100.725,73.05 120.925,73.05 124.925,73.05 97.311,74.464 100.139,74.464 121.511,74.464 124.339,74.464 98.725,75.05 122.925,75.05